# Altium PCB BPod Panel Due.PcbDoc (part 1 of 5) (continued)
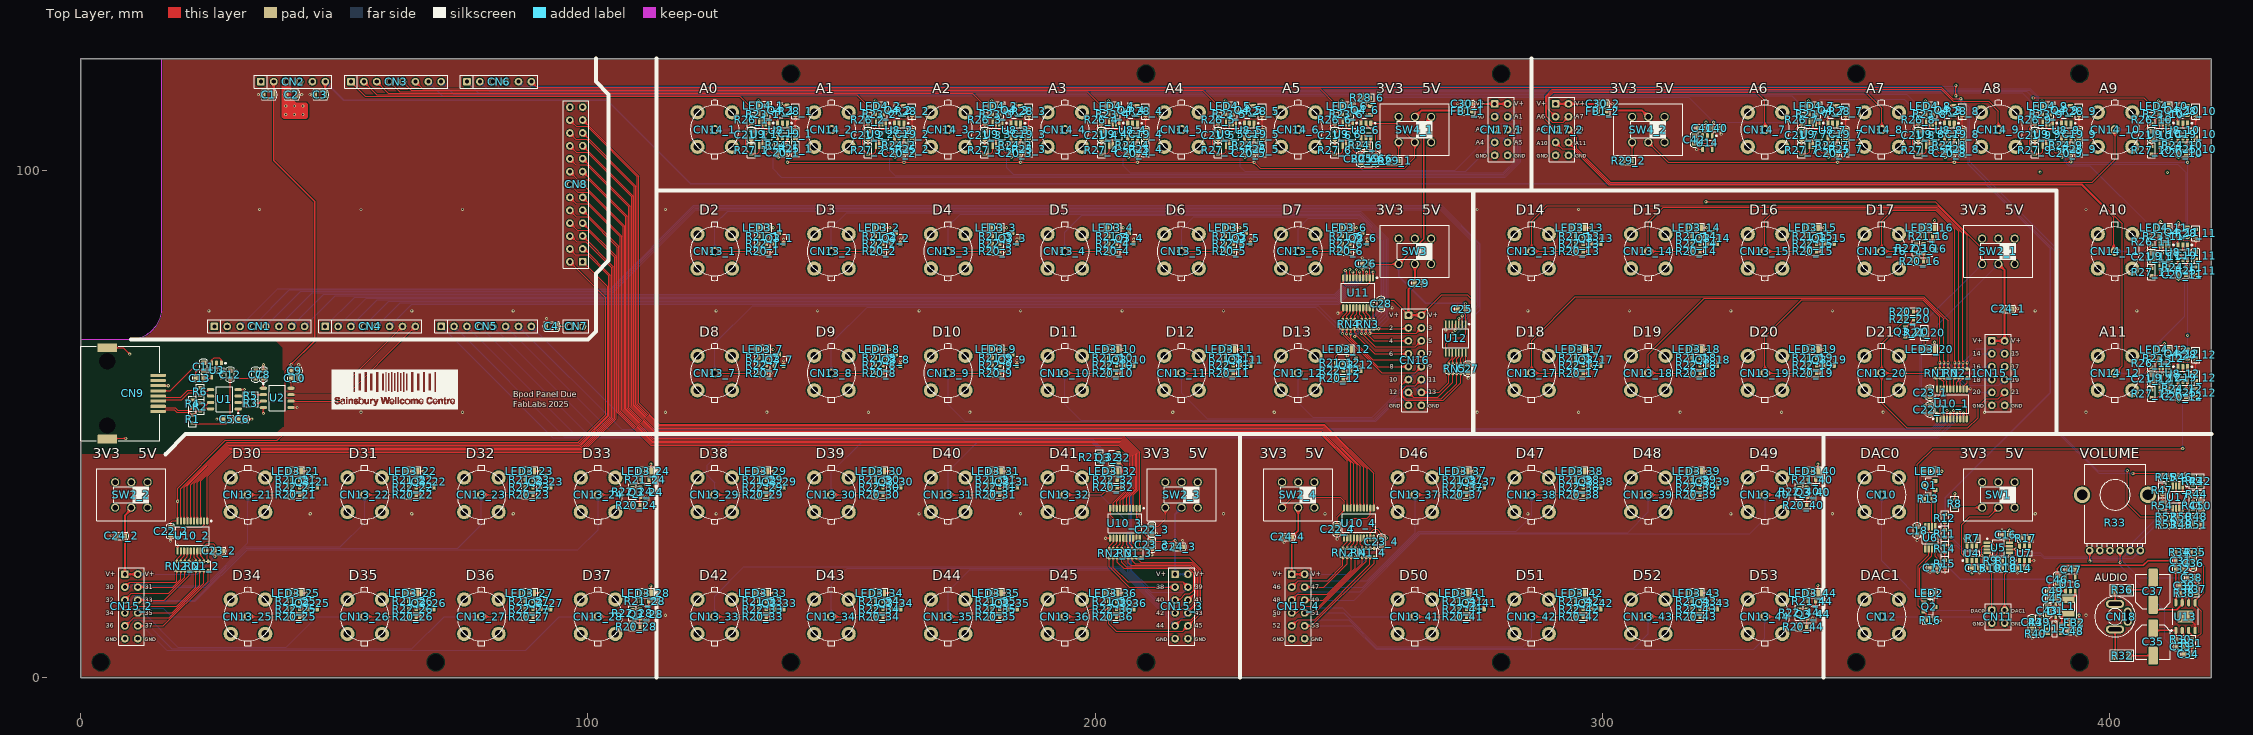
[diagram p0: Top Layer view]
## Components (designator, comment, footprint, x,y, rotation, side; value= is the part's Value field where it differs from the comment) (continued)
C21_4 "C0603-100nF-50V" CAP_CHIP_0603 201.2,106.925 r270 top value=100nF (schematic designator C21)
C21_5 "C0603-100nF-50V" CAP_CHIP_0603 224.2,106.925 r270 top value=100nF (schematic designator C21)
C21_6 "C0603-100nF-50V" CAP_CHIP_0603 247.2,106.925 r270 top value=100nF (schematic designator C21)
C21_7 "C0603-100nF-50V" CAP_CHIP_0603 339.2,106.925 r270 top value=100nF (schematic designator C21)
C21_8 "C0603-100nF-50V" CAP_CHIP_0603 362.2,106.925 r270 top value=100nF (schematic designator C21)
C21_9 "C0603-100nF-50V" CAP_CHIP_0603 385.2,106.925 r270 top value=100nF (schematic designator C21)
C21_10 "C0603-100nF-50V" CAP_CHIP_0603 408.2,106.925 r270 top value=100nF (schematic designator C21)
C21_11 "C0603-100nF-50V" CAP_CHIP_0603 408.2,82.925 r270 top value=100nF (schematic designator C21)
C21_12 "C0603-100nF-50V" CAP_CHIP_0603 408.2,58.925 r270 top value=100nF (schematic designator C21)
C22_1 "C0603-100nF-50V" CAP_CHIP_0603 364.55,52.825 r90 top value=100nF (schematic designator C22)
C22_2 "C0603-100nF-50V" CAP_CHIP_0603 17.75,28.825 r90 top value=100nF (schematic designator C22)
C22_3 "C0603-100nF-50V" CAP_CHIP_0603 211.15,29.15 r90 top value=100nF (schematic designator C22)
C22_4 "C0603-100nF-50V" CAP_CHIP_0603 247.65,29.25 r90 top value=100nF (schematic designator C22)
C23_1 "C0603-100nF-50V" CAP_CHIP_0603 364.55,56.125 r270 top value=100nF (schematic designator C23)
C23_2 "C0603-100nF-50V" CAP_CHIP_0603 27.225,24.95 r180 top value=100nF (schematic designator C23)
C23_3 "C0603-100nF-50V" CAP_CHIP_0603 211.15,26.15 r90 top value=100nF (schematic designator C23)
C23_4 "C0603-100nF-50V" CAP_CHIP_0603 256.4,26.75 r90 top value=100nF (schematic designator C23)
C24_1 "C0603-10uF-35V" CAP_CHIP_0603 379.995,72.657 r180 top value=10µF (schematic designator C24)
C24_2 "C0603-10uF-35V" CAP_CHIP_0603 7.98,27.9 r0 top value=10µF (schematic designator C24)
C24_3 "C0603-10uF-35V" CAP_CHIP_0603 216.475,25.775 r180 top value=10µF (schematic designator C24)
C24_4 "C0603-10uF-35V" CAP_CHIP_0603 237.98,27.725 r0 top value=10µF (schematic designator C24)
C25 "C0603-100nF-50V" CAP_CHIP_0603 272.225,72.625 r0 top value=100nF
C26 "C0603-100nF-50V" CAP_CHIP_0603 253.35,81.55 r0 top value=100nF
C27 "C0603-100nF-50V" CAP_CHIP_0603 273.475,60.875 r90 top value=100nF
C28 "C0603-100nF-50V" CAP_CHIP_0603 256.35,73.625 r90 top value=100nF
C29 "C0603-10uF-35V" CAP_CHIP_0603 263.75,77.75 r180 top value=10µF
C30_1 "C0603-10uF-35V" CAP_CHIP_0603 273.375,113.075 r0 top value=10µF (schematic designator C30)
C30_2 "C0603-10uF-35V" CAP_CHIP_0603 299.975,113.08 r180 top value=10µF (schematic designator C30)
C31 "C0805-22uF-25V" CAP_CHIP_0805 413.97,23.025 r180 top value=22µF
C32 "C0603-100nF-50V" CAP_CHIP_0603 413.775,21.325 r180 top value=100nF
C33 "C0603-220pF-50V" CAP_CHIP_0603 413.9,6.05 r180 top value=220pF
C34 "C0603-10uF-25V" CAP_CHIP_0603 415.4,4.55 r0 top value=10µF
C35 "EC63-220uF-10V" ECAP_SMD_6.3X5.4 408.5,7 r270 top value=220uF
C36 "C0603-100nF-50V" CAP_CHIP_0603 416.4,22.475 r90 top value=100nF
C37 "EC63-220uF-10V" ECAP_SMD_6.3X5.4 408.5,17 r90 top value=220uF
C38 "C0603-10uF-25V" CAP_CHIP_0603 416.125,19.625 r0 top value=10µF
C39 "C0603-220pF-50V" CAP_CHIP_0603 414.625,18.125 r180 top value=220pF
C40 "C0603-1uF-50V" CAP_CHIP_0603 322.625,108.275 r0 top value=1µF
C41 "C0603-1uF-50V" CAP_CHIP_0603 319.625,108.275 r180 top value=1µF
C42 "C0603-1uF-50V" CAP_CHIP_0603 318.1,106.025 r90 top value=1µF
C43 "C0603-10nF-50V" CAP_CHIP_0603 387.65,13.15 r270 top value=10nF
C44 "C0603-100pF-50V" CAP_CHIP_0603 384.65,10.875 r90 top value=100pF
C45 "C0603-10uF-35V" CAP_CHIP_0603 388.7,15.55 r0 top value=10µF
C46 "C0603-10uF-25V" CAP_CHIP_0603 389.65,19.3 r90 top value=10µF
C47 "C0603-10nF-50V" CAP_CHIP_0603 392.4,21.25 r0 top value=10nF
C48 "C0603-10uF-35V" CAP_CHIP_0603 392.775,9.15 r180 top value=10µF
C49 "C0603-1uF-50V" CAP_CHIP_0603 388.7,17.05 r180 top value=1µF
C50 "C0603-100nF-50V" CAP_CHIP_0603 417.85,33.9 r270 top value=100nF
CN1 "DUE D" PIN_2.54_1X8P 26.372,69.198 r0 top
CN2 "DUE A" PIN_2.54_1X6P 41.885,117.443 r0 top
CN3 "DUE B" PIN_2.54_1X8P 53.296,117.443 r0 top
CN4 "DUE E" PIN_2.54_1X8P 48.216,69.198 r0 top
CN5 "DUE F" PIN_2.54_1X8P 71.076,69.198 r0 top
CN6 "DUE C" PIN_2.54_1X6P 82.506,117.443 r0 top
CN7 "DUE G" PIN_2.54_1X2P 97.691,69.198 r0 top
CN8 "DUE H" PIN_2.54_2X13P 97.696,97.163 r90 top
CN9 "RJ45-6339160-1" 6339160-1 5.275,56 r270 top
CN10 "DIG IO" BNC-AMP-112515 355,36 r0 top
CN11 "PIN HEADER" PIN_2.54_2X2P 377.975,12 r270 top
CN12 "DIG IO" BNC-AMP-112515 355,12 r0 top
CN13_1 "DIG IO" BNC-AMP-112515 125,84 r0 top (schematic designator CN13)
CN13_2 "DIG IO" BNC-AMP-112515 148,84 r0 top (schematic designator CN13)
CN13_3 "DIG IO" BNC-AMP-112515 171,84 r0 top (schematic designator CN13)
CN13_4 "DIG IO" BNC-AMP-112515 194,84 r0 top (schematic designator CN13)
CN13_5 "DIG IO" BNC-AMP-112515 217,84 r0 top (schematic designator CN13)
CN13_6 "DIG IO" BNC-AMP-112515 240,84 r0 top (schematic designator CN13)
CN13_7 "DIG IO" BNC-AMP-112515 125,60 r0 top (schematic designator CN13)
CN13_8 "DIG IO" BNC-AMP-112515 148,60 r0 top (schematic designator CN13)
CN13_9 "DIG IO" BNC-AMP-112515 171,60 r0 top (schematic designator CN13)
CN13_10 "DIG IO" BNC-AMP-112515 194,60 r0 top (schematic designator CN13)
CN13_11 "DIG IO" BNC-AMP-112515 217,60 r0 top (schematic designator CN13)
CN13_12 "DIG IO" BNC-AMP-112515 240,60 r0 top (schematic designator CN13)
CN13_13 "DIG IO" BNC-AMP-112515 286,84 r0 top (schematic designator CN13)
CN13_14 "DIG IO" BNC-AMP-112515 309,84 r0 top (schematic designator CN13)
CN13_15 "DIG IO" BNC-AMP-112515 332,84 r0 top (schematic designator CN13)
CN13_16 "DIG IO" BNC-AMP-112515 355,84 r0 top (schematic designator CN13)
CN13_17 "DIG IO" BNC-AMP-112515 286,60 r0 top (schematic designator CN13)
CN13_18 "DIG IO" BNC-AMP-112515 309,60 r0 top (schematic designator CN13)
CN13_19 "DIG IO" BNC-AMP-112515 332,60 r0 top (schematic designator CN13)
CN13_20 "DIG IO" BNC-AMP-112515 355,60 r0 top (schematic designator CN13)
CN13_21 "DIG IO" BNC-AMP-112515 33,36 r0 top (schematic designator CN13)
CN13_22 "DIG IO" BNC-AMP-112515 56,36 r0 top (schematic designator CN13)
CN13_23 "DIG IO" BNC-AMP-112515 79,36 r0 top (schematic designator CN13)
CN13_24 "DIG IO" BNC-AMP-112515 102,36 r0 top (schematic designator CN13)
CN13_25 "DIG IO" BNC-AMP-112515 33,12 r0 top (schematic designator CN13)
CN13_26 "DIG IO" BNC-AMP-112515 56,12 r0 top (schematic designator CN13)
CN13_27 "DIG IO" BNC-AMP-112515 79,12 r0 top (schematic designator CN13)
CN13_28 "DIG IO" BNC-AMP-112515 102,12 r0 top (schematic designator CN13)
CN13_29 "DIG IO" BNC-AMP-112515 125,36 r0 top (schematic designator CN13)
CN13_30 "DIG IO" BNC-AMP-112515 148,36 r0 top (schematic designator CN13)
CN13_31 "DIG IO" BNC-AMP-112515 171,36 r0 top (schematic designator CN13)
CN13_32 "DIG IO" BNC-AMP-112515 194,36 r0 top (schematic designator CN13)
CN13_33 "DIG IO" BNC-AMP-112515 125,12 r0 top (schematic designator CN13)
CN13_34 "DIG IO" BNC-AMP-112515 148,12 r0 top (schematic designator CN13)
CN13_35 "DIG IO" BNC-AMP-112515 171,12 r0 top (schematic designator CN13)
CN13_36 "DIG IO" BNC-AMP-112515 194,12 r0 top (schematic designator CN13)
CN13_37 "DIG IO" BNC-AMP-112515 263,36 r0 top (schematic designator CN13)
CN13_38 "DIG IO" BNC-AMP-112515 286,36 r0 top (schematic designator CN13)
CN13_39 "DIG IO" BNC-AMP-112515 309,36 r0 top (schematic designator CN13)
CN13_40 "DIG IO" BNC-AMP-112515 332,36 r0 top (schematic designator CN13)
CN13_41 "DIG IO" BNC-AMP-112515 263,12 r0 top (schematic designator CN13)
CN13_42 "DIG IO" BNC-AMP-112515 286,12 r0 top (schematic designator CN13)
CN13_43 "DIG IO" BNC-AMP-112515 309,12 r0 top (schematic designator CN13)
CN13_44 "DIG IO" BNC-AMP-112515 332,12 r0 top (schematic designator CN13)
CN14_1 "SIG IN" BNC-AMP-112515 125,108 r0 top (schematic designator CN14)
CN14_2 "SIG IN" BNC-AMP-112515 148,108 r0 top (schematic designator CN14)
CN14_3 "SIG IN" BNC-AMP-112515 171,108 r0 top (schematic designator CN14)
CN14_4 "SIG IN" BNC-AMP-112515 194,108 r0 top (schematic designator CN14)
CN14_5 "SIG IN" BNC-AMP-112515 217,108 r0 top (schematic designator CN14)
CN14_6 "SIG IN" BNC-AMP-112515 240,108 r0 top (schematic designator CN14)
CN14_7 "SIG IN" BNC-AMP-112515 332,108 r0 top (schematic designator CN14)
CN14_8 "SIG IN" BNC-AMP-112515 355,108 r0 top (schematic designator CN14)
CN14_9 "SIG IN" BNC-AMP-112515 378,108 r0 top (schematic designator CN14)
CN14_10 "SIG IN" BNC-AMP-112515 401,108 r0 top (schematic designator CN14)
CN14_11 "SIG IN" BNC-AMP-112515 401,84 r0 top (schematic designator CN14)
CN14_12 "SIG IN" BNC-AMP-112515 401,60 r0 top (schematic designator CN14)
CN15_1 "PIN HEADER" PIN_2.54_2X6P 377.975,60 r270 top (schematic designator CN15)
CN15_2 "PIN HEADER" PIN_2.54_2X6P 10,14 r270 top (schematic designator CN15)
CN15_3 "PIN HEADER" PIN_2.54_2X6P 217,14 r270 top (schematic designator CN15)
CN15_4 "PIN HEADER" PIN_2.54_2X6P 240,14 r270 top (schematic designator CN15)
CN16 "PIN HEADER" PIN_2.54_2X8P 263,62.54 r270 top
CN17_1 "PIN HEADER" PIN_2.54_2X5P 280,108 r270 top (schematic designator CN17)
CN17_2 "PIN HEADER" PIN_2.54_2X5P 292,108 r270 top (schematic designator CN17)
CN18 "STEREO OUT" PJ-3920 401,12 r0 top
D1 "CUS10S30" SOD323 389.3,13.1 r270 top
FB1_1 "FB0603-600R-0.2A" FB_CHIP_0603 273.375,111.575 r0 top value=600R@100MHz (schematic designator FB1)
FB1_2 "FB0603-600R-0.2A" FB_CHIP_0603 299.975,111.58 r180 top value=600R@100MHz (schematic designator FB1)
FB2 "FB0805-600R-0.5A" FB_CHIP_0805 392.925,10.8 r180 top value=600R@100MHz
L1 "L-PWR-47uH-0.3A" IND_PWR_1210 391.8,14 r90 top value=47µH
LED1 "INDICATOR" LED_CHIP_0805 364.425,40.651 r0 top
LED2 "INDICATOR" LED_CHIP_0805 364.425,16.649 r180 top
LED3_1 "INDICATOR" LED_CHIP_0805 134.6,88.65 r0 top (schematic designator LED3)
LED3_2 "INDICATOR" LED_CHIP_0805 157.425,88.659 r0 top (schematic designator LED3)
LED3_3 "INDICATOR" LED_CHIP_0805 180.425,88.659 r0 top (schematic designator LED3)
LED3_4 "INDICATOR" LED_CHIP_0805 203.425,88.658 r0 top (schematic designator LED3)
LED3_5 "INDICATOR" LED_CHIP_0805 226.425,88.658 r0 top (schematic designator LED3)
LED3_6 "INDICATOR" LED_CHIP_0805 249.425,88.658 r0 top (schematic designator LED3)
LED3_7 "INDICATOR" LED_CHIP_0805 134.425,64.658 r0 top (schematic designator LED3)
LED3_8 "INDICATOR" LED_CHIP_0805 157.425,64.658 r0 top (schematic designator LED3)
LED3_9 "INDICATOR" LED_CHIP_0805 180.425,64.657 r0 top (schematic designator LED3)
LED3_10 "INDICATOR" LED_CHIP_0805 203.425,64.657 r0 top (schematic designator LED3)
LED3_11 "INDICATOR" LED_CHIP_0805 226.425,64.657 r0 top (schematic designator LED3)
LED3_12 "INDICATOR" LED_CHIP_0805 249.425,64.657 r0 top (schematic designator LED3)
LED3_13 "INDICATOR" LED_CHIP_0805 295.425,88.657 r0 top (schematic designator LED3)
LED3_14 "INDICATOR" LED_CHIP_0805 318.425,88.656 r0 top (schematic designator LED3)
LED3_15 "INDICATOR" LED_CHIP_0805 341.425,88.656 r0 top (schematic designator LED3)
LED3_16 "INDICATOR" LED_CHIP_0805 364.425,88.656 r0 top (schematic designator LED3)
LED3_17 "INDICATOR" LED_CHIP_0805 295.425,64.656 r0 top (schematic designator LED3)
LED3_18 "INDICATOR" LED_CHIP_0805 318.425,64.655 r0 top (schematic designator LED3)
LED3_19 "INDICATOR" LED_CHIP_0805 341.425,64.655 r0 top (schematic designator LED3)
LED3_20 "INDICATOR" LED_CHIP_0805 364.425,64.655 r0 top (schematic designator LED3)
LED3_21 "INDICATOR" LED_CHIP_0805 42.425,40.655 r0 top (schematic designator LED3)
LED3_22 "INDICATOR" LED_CHIP_0805 65.425,40.655 r0 top (schematic designator LED3)
LED3_23 "INDICATOR" LED_CHIP_0805 88.425,40.654 r0 top (schematic designator LED3)
LED3_24 "INDICATOR" LED_CHIP_0805 111.425,40.654 r0 top (schematic designator LED3)
LED3_25 "INDICATOR" LED_CHIP_0805 42.425,16.654 r0 top (schematic designator LED3)
LED3_26 "INDICATOR" LED_CHIP_0805 65.425,16.654 r0 top (schematic designator LED3)
LED3_27 "INDICATOR" LED_CHIP_0805 88.425,16.654 r0 top (schematic designator LED3)
LED3_28 "INDICATOR" LED_CHIP_0805 111.425,16.653 r0 top (schematic designator LED3)
LED3_29 "INDICATOR" LED_CHIP_0805 134.425,40.653 r0 top (schematic designator LED3)
LED3_30 "INDICATOR" LED_CHIP_0805 157.425,40.653 r0 top (schematic designator LED3)
LED3_31 "INDICATOR" LED_CHIP_0805 180.425,40.653 r0 top (schematic designator LED3)
LED3_32 "INDICATOR" LED_CHIP_0805 203.425,40.653 r0 top (schematic designator LED3)
LED3_33 "INDICATOR" LED_CHIP_0805 134.425,16.652 r0 top (schematic designator LED3)
LED3_34 "INDICATOR" LED_CHIP_0805 157.425,16.652 r0 top (schematic designator LED3)
LED3_35 "INDICATOR" LED_CHIP_0805 180.425,16.652 r0 top (schematic designator LED3)
LED3_36 "INDICATOR" LED_CHIP_0805 203.425,16.652 r0 top (schematic designator LED3)
LED3_37 "INDICATOR" LED_CHIP_0805 272.425,40.651 r0 top (schematic designator LED3)
LED3_38 "INDICATOR" LED_CHIP_0805 295.425,40.651 r0 top (schematic designator LED3)
LED3_39 "INDICATOR" LED_CHIP_0805 318.425,40.651 r0 top (schematic designator LED3)
LED3_40 "INDICATOR" LED_CHIP_0805 341.425,40.651 r0 top (schematic designator LED3)
LED3_41 "INDICATOR" LED_CHIP_0805 272.425,16.651 r0 top (schematic designator LED3)
LED3_42 "INDICATOR" LED_CHIP_0805 295.425,16.65 r0 top (schematic designator LED3)
LED3_43 "INDICATOR" LED_CHIP_0805 318.425,16.65 r0 top (schematic designator LED3)
LED3_44 "INDICATOR" LED_CHIP_0805 341.425,16.65 r0 top (schematic designator LED3)
LED4_1 "INDICATOR" LED_CHIP_0805 134.6,112.65 r180 top (schematic designator LED4)
LED4_2 "INDICATOR" LED_CHIP_0805 157.6,112.625 r180 top (schematic designator LED4)
LED4_3 "INDICATOR" LED_CHIP_0805 180.6,112.625 r180 top (schematic designator LED4)
LED4_4 "INDICATOR" LED_CHIP_0805 203.6,112.625 r180 top (schematic designator LED4)
LED4_5 "INDICATOR" LED_CHIP_0805 226.6,112.625 r180 top (schematic designator LED4)
LED4_6 "INDICATOR" LED_CHIP_0805 249.6,112.625 r180 top (schematic designator LED4)
LED4_7 "INDICATOR" LED_CHIP_0805 341.6,112.625 r180 top (schematic designator LED4)
LED4_8 "INDICATOR" LED_CHIP_0805 364.6,112.625 r180 top (schematic designator LED4)
LED4_9 "INDICATOR" LED_CHIP_0805 387.6,112.625 r180 top (schematic designator LED4)
LED4_10 "INDICATOR" LED_CHIP_0805 410.6,112.625 r180 top (schematic designator LED4)
LED4_11 "INDICATOR" LED_CHIP_0805 410.6,88.625 r180 top (schematic designator LED4)
LED4_12 "INDICATOR" LED_CHIP_0805 410.6,64.625 r180 top (schematic designator LED4)
Q1 "AO3400A" SOT23 364.425,37.875 r0 top
Q2 "AO3400A" SOT23 364.425,13.9 r180 top
Q3_1 "AO3400A" SOT23 137.675,86.625 r270 top (schematic designator Q3)
Q3_2 "AO3400A" SOT23 160.675,86.625 r270 top (schematic designator Q3)
Q3_3 "AO3400A" SOT23 183.675,86.625 r270 top (schematic designator Q3)
Q3_4 "AO3400A" SOT23 206.675,86.625 r270 top (schematic designator Q3)
Q3_5 "AO3400A" SOT23 229.675,86.625 r270 top (schematic designator Q3)
Q3_6 "AO3400A" SOT23 252.675,86.625 r270 top (schematic designator Q3)
Q3_7 "AO3400A" SOT23 137.675,62.625 r270 top (schematic designator Q3)
Q3_8 "AO3400A" SOT23 160.675,62.625 r270 top (schematic designator Q3)
Q3_9 "AO3400A" SOT23 183.675,62.625 r270 top (schematic designator Q3)
Q3_10 "AO3400A" SOT23 206.675,62.625 r270 top (schematic designator Q3)
Q3_11 "AO3400A" SOT23 229.675,62.625 r270 top (schematic designator Q3)
Q3_12 "AO3400A" SOT23 251.4,61.625 r270 top (schematic designator Q3)
Q3_13 "AO3400A" SOT23 298.675,86.625 r270 top (schematic designator Q3)
Q3_14 "AO3400A" SOT23 321.675,86.625 r270 top (schematic designator Q3)
Q3_15 "AO3400A" SOT23 344.675,86.625 r270 top (schematic designator Q3)
Q3_16 "AO3400A" SOT23 364.375,84.5 r180 top (schematic designator Q3)
Q3_17 "AO3400A" SOT23 298.675,62.625 r270 top (schematic designator Q3)
Q3_18 "AO3400A" SOT23 321.675,62.625 r270 top (schematic designator Q3)
Q3_19 "AO3400A" SOT23 344.675,62.625 r270 top (schematic designator Q3)
Q3_20 "AO3400A" SOT23 360.8,68.125 r180 top (schematic designator Q3)
Q3_21 "AO3400A" SOT23 45.675,38.625 r270 top (schematic designator Q3)
Q3_22 "AO3400A" SOT23 68.675,38.625 r270 top (schematic designator Q3)
Q3_23 "AO3400A" SOT23 91.675,38.625 r270 top (schematic designator Q3)
Q3_24 "AO3400A" SOT23 111.375,36.5 r180 top (schematic designator Q3)
Q3_25 "AO3400A" SOT23 45.675,14.625 r270 top (schematic designator Q3)
Q3_26 "AO3400A" SOT23 68.675,14.625 r270 top (schematic designator Q3)
Q3_27 "AO3400A" SOT23 91.675,14.625 r270 top (schematic designator Q3)
Q3_28 "AO3400A" SOT23 111.375,12.5 r180 top (schematic designator Q3)
Q3_29 "AO3400A" SOT23 137.675,38.625 r270 top (schematic designator Q3)
Q3_30 "AO3400A" SOT23 160.675,38.625 r270 top (schematic designator Q3)
Q3_31 "AO3400A" SOT23 183.675,38.625 r270 top (schematic designator Q3)
Q3_32 "AO3400A" SOT23 203.425,43.3 r0 top (schematic designator Q3)
Q3_33 "AO3400A" SOT23 137.675,14.625 r270 top (schematic designator Q3)
Q3_34 "AO3400A" SOT23 160.675,14.625 r270 top (schematic designator Q3)
Q3_35 "AO3400A" SOT23 183.675,14.625 r270 top (schematic designator Q3)
Q3_36 "AO3400A" SOT23 206.675,14.625 r270 top (schematic designator Q3)
Q3_37 "AO3400A" SOT23 275.675,38.625 r270 top (schematic designator Q3)
Q3_38 "AO3400A" SOT23 298.675,38.625 r270 top (schematic designator Q3)
Q3_39 "AO3400A" SOT23 321.675,38.625 r270 top (schematic designator Q3)
Q3_40 "AO3400A" SOT23 341.375,36.5 r180 top (schematic designator Q3)
Q3_41 "AO3400A" SOT23 275.675,14.625 r270 top (schematic designator Q3)
Q3_42 "AO3400A" SOT23 298.675,14.625 r270 top (schematic designator Q3)
Q3_43 "AO3400A" SOT23 321.675,14.625 r270 top (schematic designator Q3)
Q3_44 "AO3400A" SOT23 341.375,12.5 r180 top (schematic designator Q3)
Q4_1 "AO3400A" SOT23 138.125,111.8 r0 top (schematic designator Q4)
Q4_2 "AO3400A" SOT23 161.125,111.775 r0 top (schematic designator Q4)
Q4_3 "AO3400A" SOT23 184.125,111.775 r0 top (schematic designator Q4)
Q4_4 "AO3400A" SOT23 207.125,111.775 r0 top (schematic designator Q4)
Q4_5 "AO3400A" SOT23 230.125,111.775 r0 top (schematic designator Q4)
Q4_6 "AO3400A" SOT23 253.125,111.775 r0 top (schematic designator Q4)
Q4_7 "AO3400A" SOT23 345.125,111.775 r0 top (schematic designator Q4)
Q4_8 "AO3400A" SOT23 368.125,111.775 r0 top (schematic designator Q4)
Q4_9 "AO3400A" SOT23 391.125,111.775 r0 top (schematic designator Q4)
Q4_10 "AO3400A" SOT23 414.125,111.775 r0 top (schematic designator Q4)
Q4_11 "AO3400A" SOT23 414.125,87.775 r0 top (schematic designator Q4)
Q4_12 "AO3400A" SOT23 414.125,63.775 r0 top (schematic designator Q4)
R1 "R0603-10K" RES_CHIP_0603 22.1,50.95 r270 top value=10k
R2 "R0603-120R" RES_CHIP_0603 23.6,53.35 r270 top value=120
R3 "R0603-1K" RES_CHIP_0603 33.55,54.075 r0 top value=1k
R4 "R0603-10K" RES_CHIP_0603 22.1,53.95 r270 top value=10k
R5 "R0603-1K" RES_CHIP_0603 33.55,55.575 r0 top value=1k
R6 "R0603-120R" RES_CHIP_0603 23.6,56.35 r270 top value=120
R7 "R0603-5K1" RES_CHIP_0603 372.975,27.425 r180 top value=5.1k
R8 "R0603-100K" RES_CHIP_0603 369.4,34.25 r90 top value=100k
R9 "R0603-10K" RES_CHIP_0603 376.525,23.025 r0 top value=10k
R10 "R0603-100R" RES_CHIP_0603 376.525,21.525 r180 top value=100
R11 "R0603-100K" RES_CHIP_0603 367.475,28.375 r270 top value=100k
R12 "R0603-100K" RES_CHIP_0603 367.475,31.375 r270 top value=100k
R13 "R0603-1K5" RES_CHIP_0603 364.163,35.25 r0 top value=1.5k
R14 "R0603-100K" RES_CHIP_0603 367.475,25.375 r90 top value=100k
R15 "R0603-100K" RES_CHIP_0603 367.475,22.375 r90 top value=100k
R16 "R0603-1K5" RES_CHIP_0603 364.575,11.275 r180 top value=1.5k
R17 "R0603-5K1" RES_CHIP_0603 383.35,27.425 r180 top value=5.1k
R18 "R0603-10K" RES_CHIP_0603 379.525,23.025 r180 top value=10k
R19 "R0603-100R" RES_CHIP_0603 379.525,21.525 r0 top value=100
R20_1 "R0603-100K" RES_CHIP_0603 134.425,84 r180 top value=100k (schematic designator R20)
R20_2 "R0603-100K" RES_CHIP_0603 157.39,84 r180 top value=100k (schematic designator R20)
R20_3 "R0603-100K" RES_CHIP_0603 180.425,84 r180 top value=100k (schematic designator R20)
R20_4 "R0603-100K" RES_CHIP_0603 203.425,84 r180 top value=100k (schematic designator R20)
R20_5 "R0603-100K" RES_CHIP_0603 226.425,84 r180 top value=100k (schematic designator R20)
R20_6 "R0603-100K" RES_CHIP_0603 249.425,84 r180 top value=100k (schematic designator R20)
R20_7 "R0603-100K" RES_CHIP_0603 134.425,60.002 r180 top value=100k (schematic designator R20)
R20_8 "R0603-100K" RES_CHIP_0603 157.425,60.002 r180 top value=100k (schematic designator R20)
R20_9 "R0603-100K" RES_CHIP_0603 180.425,60.002 r180 top value=100k (schematic designator R20)
R20_10 "R0603-100K" RES_CHIP_0603 203.425,60.002 r180 top value=100k (schematic designator R20)
R20_11 "R0603-100K" RES_CHIP_0603 226.425,60.002 r180 top value=100k (schematic designator R20)
R20_12 "R0603-100K" RES_CHIP_0603 248.15,59 r180 top value=100k (schematic designator R20)
R20_13 "R0603-100K" RES_CHIP_0603 295.425,84.002 r180 top value=100k (schematic designator R20)
R20_14 "R0603-100K" RES_CHIP_0603 318.425,84.002 r180 top value=100k (schematic designator R20)
R20_15 "R0603-100K" RES_CHIP_0603 341.425,84.002 r180 top value=100k (schematic designator R20)
R20_16 "R0603-100K" RES_CHIP_0603 362.5,82 r180 top value=100k (schematic designator R20)
R20_17 "R0603-100K" RES_CHIP_0603 295.425,60.002 r180 top value=100k (schematic designator R20)
R20_18 "R0603-100K" RES_CHIP_0603 318.425,60.002 r180 top value=100k (schematic designator R20)
R20_19 "R0603-100K" RES_CHIP_0603 341.425,60.002 r180 top value=100k (schematic designator R20)
R20_20 "R0603-100K" RES_CHIP_0603 360.525,72.125 r180 top value=100k (schematic designator R20)
R20_21 "R0603-100K" RES_CHIP_0603 42.425,36 r180 top value=100k (schematic designator R20)
R20_22 "R0603-100K" RES_CHIP_0603 65.425,36 r180 top value=100k (schematic designator R20)
R20_23 "R0603-100K" RES_CHIP_0603 88.425,36 r180 top value=100k (schematic designator R20)
R20_24 "R0603-100K" RES_CHIP_0603 109.5,34 r180 top value=100k (schematic designator R20)
R20_25 "R0603-100K" RES_CHIP_0603 42.425,12 r180 top value=100k (schematic designator R20)
R20_26 "R0603-100K" RES_CHIP_0603 65.425,12 r180 top value=100k (schematic designator R20)
R20_27 "R0603-100K" RES_CHIP_0603 88.425,12 r180 top value=100k (schematic designator R20)
R20_28 "R0603-100K" RES_CHIP_0603 109.5,10 r180 top value=100k (schematic designator R20)
R20_29 "R0603-100K" RES_CHIP_0603 134.425,36 r180 top value=100k (schematic designator R20)
R20_30 "R0603-100K" RES_CHIP_0603 157.425,36 r180 top value=100k (schematic designator R20)
R20_31 "R0603-100K" RES_CHIP_0603 180.425,36 r180 top value=100k (schematic designator R20)
R20_32 "R0603-100K" RES_CHIP_0603 203.575,37.5 r180 top value=100k (schematic designator R20)
R20_33 "R0603-100K" RES_CHIP_0603 134.425,12 r180 top value=100k (schematic designator R20)
R20_34 "R0603-100K" RES_CHIP_0603 157.425,12 r180 top value=100k (schematic designator R20)
R20_35 "R0603-100K" RES_CHIP_0603 180.425,12 r180 top value=100k (schematic designator R20)
R20_36 "R0603-100K" RES_CHIP_0603 203.425,12 r180 top value=100k (schematic designator R20)
R20_37 "R0603-100K" RES_CHIP_0603 272.425,36 r180 top value=100k (schematic designator R20)
R20_38 "R0603-100K" RES_CHIP_0603 295.425,36 r180 top value=100k (schematic designator R20)
R20_39 "R0603-100K" RES_CHIP_0603 318.425,36 r180 top value=100k (schematic designator R20)
R20_40 "R0603-100K" RES_CHIP_0603 339.5,34 r180 top value=100k (schematic designator R20)
R20_41 "R0603-100K" RES_CHIP_0603 272.425,12 r180 top value=100k (schematic designator R20)
R20_42 "R0603-100K" RES_CHIP_0603 295.425,12 r180 top value=100k (schematic designator R20)
R20_43 "R0603-100K" RES_CHIP_0603 318.425,12 r180 top value=100k (schematic designator R20)
R20_44 "R0603-100K" RES_CHIP_0603 339.5,10 r180 top value=100k (schematic designator R20)
R21_1 "R0603-680R" RES_CHIP_0603 134.425,87 r180 top value=680 (schematic designator R21)
R21_2 "R0603-680R" RES_CHIP_0603 157.425,87 r180 top value=680 (schematic designator R21)
R21_3 "R0603-680R" RES_CHIP_0603 180.425,87 r180 top value=680 (schematic designator R21)
R21_4 "R0603-680R" RES_CHIP_0603 203.425,87 r180 top value=680 (schematic designator R21)
R21_5 "R0603-680R" RES_CHIP_0603 226.425,87 r180 top value=680 (schematic designator R21)
R21_6 "R0603-680R" RES_CHIP_0603 249.425,87 r180 top value=680 (schematic designator R21)
R21_7 "R0603-680R" RES_CHIP_0603 134.425,63 r180 top value=680 (schematic designator R21)
R21_8 "R0603-680R" RES_CHIP_0603 157.425,63 r180 top value=680 (schematic designator R21)
R21_9 "R0603-680R" RES_CHIP_0603 180.425,63 r180 top value=680 (schematic designator R21)
R21_10 "R0603-680R" RES_CHIP_0603 203.425,63 r180 top value=680 (schematic designator R21)
R21_11 "R0603-680R" RES_CHIP_0603 226.425,63 r180 top value=680 (schematic designator R21)
R21_12 "R0603-680R" RES_CHIP_0603 248.15,62 r180 top value=680 (schematic designator R21)
R21_13 "R0603-680R" RES_CHIP_0603 295.425,87 r180 top value=680 (schematic designator R21)
R21_14 "R0603-680R" RES_CHIP_0603 318.425,87 r180 top value=680 (schematic designator R21)
R21_15 "R0603-680R" RES_CHIP_0603 341.425,87 r180 top value=680 (schematic designator R21)
R21_16 "R0603-680R" RES_CHIP_0603 364.275,87 r180 top value=680 (schematic designator R21)
R21_17 "R0603-680R" RES_CHIP_0603 295.425,63 r180 top value=680 (schematic designator R21)
R21_18 "R0603-680R" RES_CHIP_0603 318.425,63 r180 top value=680 (schematic designator R21)
R21_19 "R0603-680R" RES_CHIP_0603 341.425,63 r180 top value=680 (schematic designator R21)
R21_20 "R0603-680R" RES_CHIP_0603 363.425,67.975 r270 top value=680 (schematic designator R21)
R21_21 "R0603-680R" RES_CHIP_0603 42.425,39 r180 top value=680 (schematic designator R21)
R21_22 "R0603-680R" RES_CHIP_0603 65.425,39 r180 top value=680 (schematic designator R21)
R21_23 "R0603-680R" RES_CHIP_0603 88.425,39 r180 top value=680 (schematic designator R21)
R21_24 "R0603-680R" RES_CHIP_0603 111.275,39 r180 top value=680 (schematic designator R21)
R21_25 "R0603-680R" RES_CHIP_0603 42.425,15 r180 top value=680 (schematic designator R21)
R21_26 "R0603-680R" RES_CHIP_0603 65.425,15 r180 top value=680 (schematic designator R21)
R21_27 "R0603-680R" RES_CHIP_0603 88.425,15 r180 top value=680 (schematic designator R21)
R21_28 "R0603-680R" RES_CHIP_0603 111.225,15 r180 top value=680 (schematic designator R21)
R21_29 "R0603-680R" RES_CHIP_0603 134.425,39 r180 top value=680 (schematic designator R21)
R21_30 "R0603-680R" RES_CHIP_0603 157.425,39 r180 top value=680 (schematic designator R21)
R21_31 "R0603-680R" RES_CHIP_0603 180.425,39 r180 top value=680 (schematic designator R21)
R21_32 "R0603-680R" RES_CHIP_0603 200.8,43.375 r270 top value=680 (schematic designator R21)
R21_33 "R0603-680R" RES_CHIP_0603 134.425,15 r180 top value=680 (schematic designator R21)
R21_34 "R0603-680R" RES_CHIP_0603 157.425,15 r180 top value=680 (schematic designator R21)
R21_35 "R0603-680R" RES_CHIP_0603 180.425,15 r180 top value=680 (schematic designator R21)
R21_36 "R0603-680R" RES_CHIP_0603 203.425,15 r180 top value=680 (schematic designator R21)
R21_37 "R0603-680R" RES_CHIP_0603 272.425,39 r180 top value=680 (schematic designator R21)
R21_38 "R0603-680R" RES_CHIP_0603 295.425,39 r180 top value=680 (schematic designator R21)
R21_39 "R0603-680R" RES_CHIP_0603 318.425,39 r180 top value=680 (schematic designator R21)
R21_40 "R0603-680R" RES_CHIP_0603 341.275,39 r180 top value=680 (schematic designator R21)
R21_41 "R0603-680R" RES_CHIP_0603 272.425,15 r180 top value=680 (schematic designator R21)
R21_42 "R0603-680R" RES_CHIP_0603 295.425,15 r180 top value=680 (schematic designator R21)
R21_43 "R0603-680R" RES_CHIP_0603 318.425,15 r180 top value=680 (schematic designator R21)
R21_44 "R0603-680R" RES_CHIP_0603 341.275,15 r180 top value=680 (schematic designator R21)
R22_1 "R0603-100K" RES_CHIP_0603 134.425,85.5 r180 top value=100k (schematic designator R22)
R22_2 "R0603-100K" RES_CHIP_0603 157.425,85.5 r180 top value=100k (schematic designator R22)
R22_3 "R0603-100K" RES_CHIP_0603 180.425,85.5 r180 top value=100k (schematic designator R22)
R22_4 "R0603-100K" RES_CHIP_0603 203.425,85.5 r180 top value=100k (schematic designator R22)
R22_5 "R0603-100K" RES_CHIP_0603 226.425,85.5 r180 top value=100k (schematic designator R22)
R22_6 "R0603-100K" RES_CHIP_0603 249.425,85.5 r180 top value=100k (schematic designator R22)
R22_7 "R0603-100K" RES_CHIP_0603 134.425,61.5 r180 top value=100k (schematic designator R22)
R22_8 "R0603-100K" RES_CHIP_0603 157.425,61.5 r180 top value=100k (schematic designator R22)
R22_9 "R0603-100K" RES_CHIP_0603 180.425,61.5 r180 top value=100k (schematic designator R22)
R22_10 "R0603-100K" RES_CHIP_0603 203.425,61.5 r180 top value=100k (schematic designator R22)
R22_11 "R0603-100K" RES_CHIP_0603 226.425,61.5 r180 top value=100k (schematic designator R22)
R22_12 "R0603-100K" RES_CHIP_0603 248.15,60.5 r180 top value=100k (schematic designator R22)
R22_13 "R0603-100K" RES_CHIP_0603 295.425,85.5 r180 top value=100k (schematic designator R22)
R22_14 "R0603-100K" RES_CHIP_0603 318.425,85.5 r180 top value=100k (schematic designator R22)
R22_15 "R0603-100K" RES_CHIP_0603 341.425,85.5 r180 top value=100k (schematic designator R22)
R22_16 "R0603-100K" RES_CHIP_0603 361.75,84.65 r270 top value=100k (schematic designator R22)
R22_17 "R0603-100K" RES_CHIP_0603 295.425,61.5 r180 top value=100k (schematic designator R22)
R22_18 "R0603-100K" RES_CHIP_0603 318.425,61.5 r180 top value=100k (schematic designator R22)
R22_19 "R0603-100K" RES_CHIP_0603 341.425,61.5 r180 top value=100k (schematic designator R22)
R22_20 "R0603-100K" RES_CHIP_0603 360.525,70.625 r180 top value=100k (schematic designator R22)
R22_21 "R0603-100K" RES_CHIP_0603 42.425,37.5 r180 top value=100k (schematic designator R22)
R22_22 "R0603-100K" RES_CHIP_0603 65.425,37.5 r180 top value=100k (schematic designator R22)
R22_23 "R0603-100K" RES_CHIP_0603 88.425,37.5 r180 top value=100k (schematic designator R22)
R22_24 "R0603-100K" RES_CHIP_0603 108.75,36.65 r270 top value=100k (schematic designator R22)
R22_25 "R0603-100K" RES_CHIP_0603 42.425,13.5 r180 top value=100k (schematic designator R22)
R22_26 "R0603-100K" RES_CHIP_0603 65.425,13.5 r180 top value=100k (schematic designator R22)
R22_27 "R0603-100K" RES_CHIP_0603 88.425,13.5 r180 top value=100k (schematic designator R22)
R22_28 "R0603-100K" RES_CHIP_0603 108.75,12.65 r270 top value=100k (schematic designator R22)
R22_29 "R0603-100K" RES_CHIP_0603 134.425,37.5 r180 top value=100k (schematic designator R22)
R22_30 "R0603-100K" RES_CHIP_0603 157.425,37.5 r180 top value=100k (schematic designator R22)
R22_31 "R0603-100K" RES_CHIP_0603 180.425,37.5 r180 top value=100k (schematic designator R22)
R22_32 "R0603-100K" RES_CHIP_0603 203.575,39 r180 top value=100k (schematic designator R22)
R22_33 "R0603-100K" RES_CHIP_0603 134.425,13.5 r180 top value=100k (schematic designator R22)
R22_34 "R0603-100K" RES_CHIP_0603 157.425,13.5 r180 top value=100k (schematic designator R22)
R22_35 "R0603-100K" RES_CHIP_0603 180.425,13.5 r180 top value=100k (schematic designator R22)
R22_36 "R0603-100K" RES_CHIP_0603 203.425,13.5 r180 top value=100k (schematic designator R22)
R22_37 "R0603-100K" RES_CHIP_0603 272.425,37.5 r180 top value=100k (schematic designator R22)
R22_38 "R0603-100K" RES_CHIP_0603 295.425,37.5 r180 top value=100k (schematic designator R22)
R22_39 "R0603-100K" RES_CHIP_0603 318.425,37.5 r180 top value=100k (schematic designator R22)
R22_40 "R0603-100K" RES_CHIP_0603 338.75,36.65 r270 top value=100k (schematic designator R22)
R22_41 "R0603-100K" RES_CHIP_0603 272.425,13.5 r180 top value=100k (schematic designator R22)
R22_42 "R0603-100K" RES_CHIP_0603 295.425,13.5 r180 top value=100k (schematic designator R22)
R22_43 "R0603-100K" RES_CHIP_0603 318.425,13.5 r180 top value=100k (schematic designator R22)
R22_44 "R0603-100K" RES_CHIP_0603 338.75,12.75 r270 top value=100k (schematic designator R22)
R23_1 "R0603-1K" RES_CHIP_0603 134.45,111 r180 top value=1k (schematic designator R23)
R23_2 "R0603-1K" RES_CHIP_0603 157.45,110.975 r180 top value=1k (schematic designator R23)
R23_3 "R0603-1K" RES_CHIP_0603 180.45,110.975 r180 top value=1k (schematic designator R23)
R23_4 "R0603-1K" RES_CHIP_0603 203.45,110.975 r180 top value=1k (schematic designator R23)
R23_5 "R0603-1K" RES_CHIP_0603 226.45,110.975 r180 top value=1k (schematic designator R23)
R23_6 "R0603-1K" RES_CHIP_0603 249.45,110.975 r180 top value=1k (schematic designator R23)
R23_7 "R0603-1K" RES_CHIP_0603 341.45,110.975 r180 top value=1k (schematic designator R23)
R23_8 "R0603-1K" RES_CHIP_0603 364.45,110.975 r180 top value=1k (schematic designator R23)
R23_9 "R0603-1K" RES_CHIP_0603 387.45,110.975 r180 top value=1k (schematic designator R23)
R23_10 "R0603-1K" RES_CHIP_0603 410.45,110.975 r180 top value=1k (schematic designator R23)
R23_11 "R0603-1K" RES_CHIP_0603 410.45,86.975 r180 top value=1k (schematic designator R23)
R23_12 "R0603-1K" RES_CHIP_0603 410.45,62.975 r180 top value=1k (schematic designator R23)
R24_1 "R0603-33K" RES_CHIP_0603 138.275,104.9 r180 top value=33k (schematic designator R24)